# Altium PCB Kasli-DIOT.PCBDOC (part 16 of 21)
Units mm, origin at the board's own origin, x right, y up, seen from the top; angles counter-clockwise.
Board outline 222.34 x 100 mm, 10 copper layers (TopLayer, Layer 2, Layer 3, Layer 4, Layer 5, Layer 6, Layer 7, layer 8, Layer 9, BottomLayer), stack 1.564 mm thick; 974 components, 908 nets, 4662 pads, 2649 vias.
Unrouted connection lines stored in the file: 17.
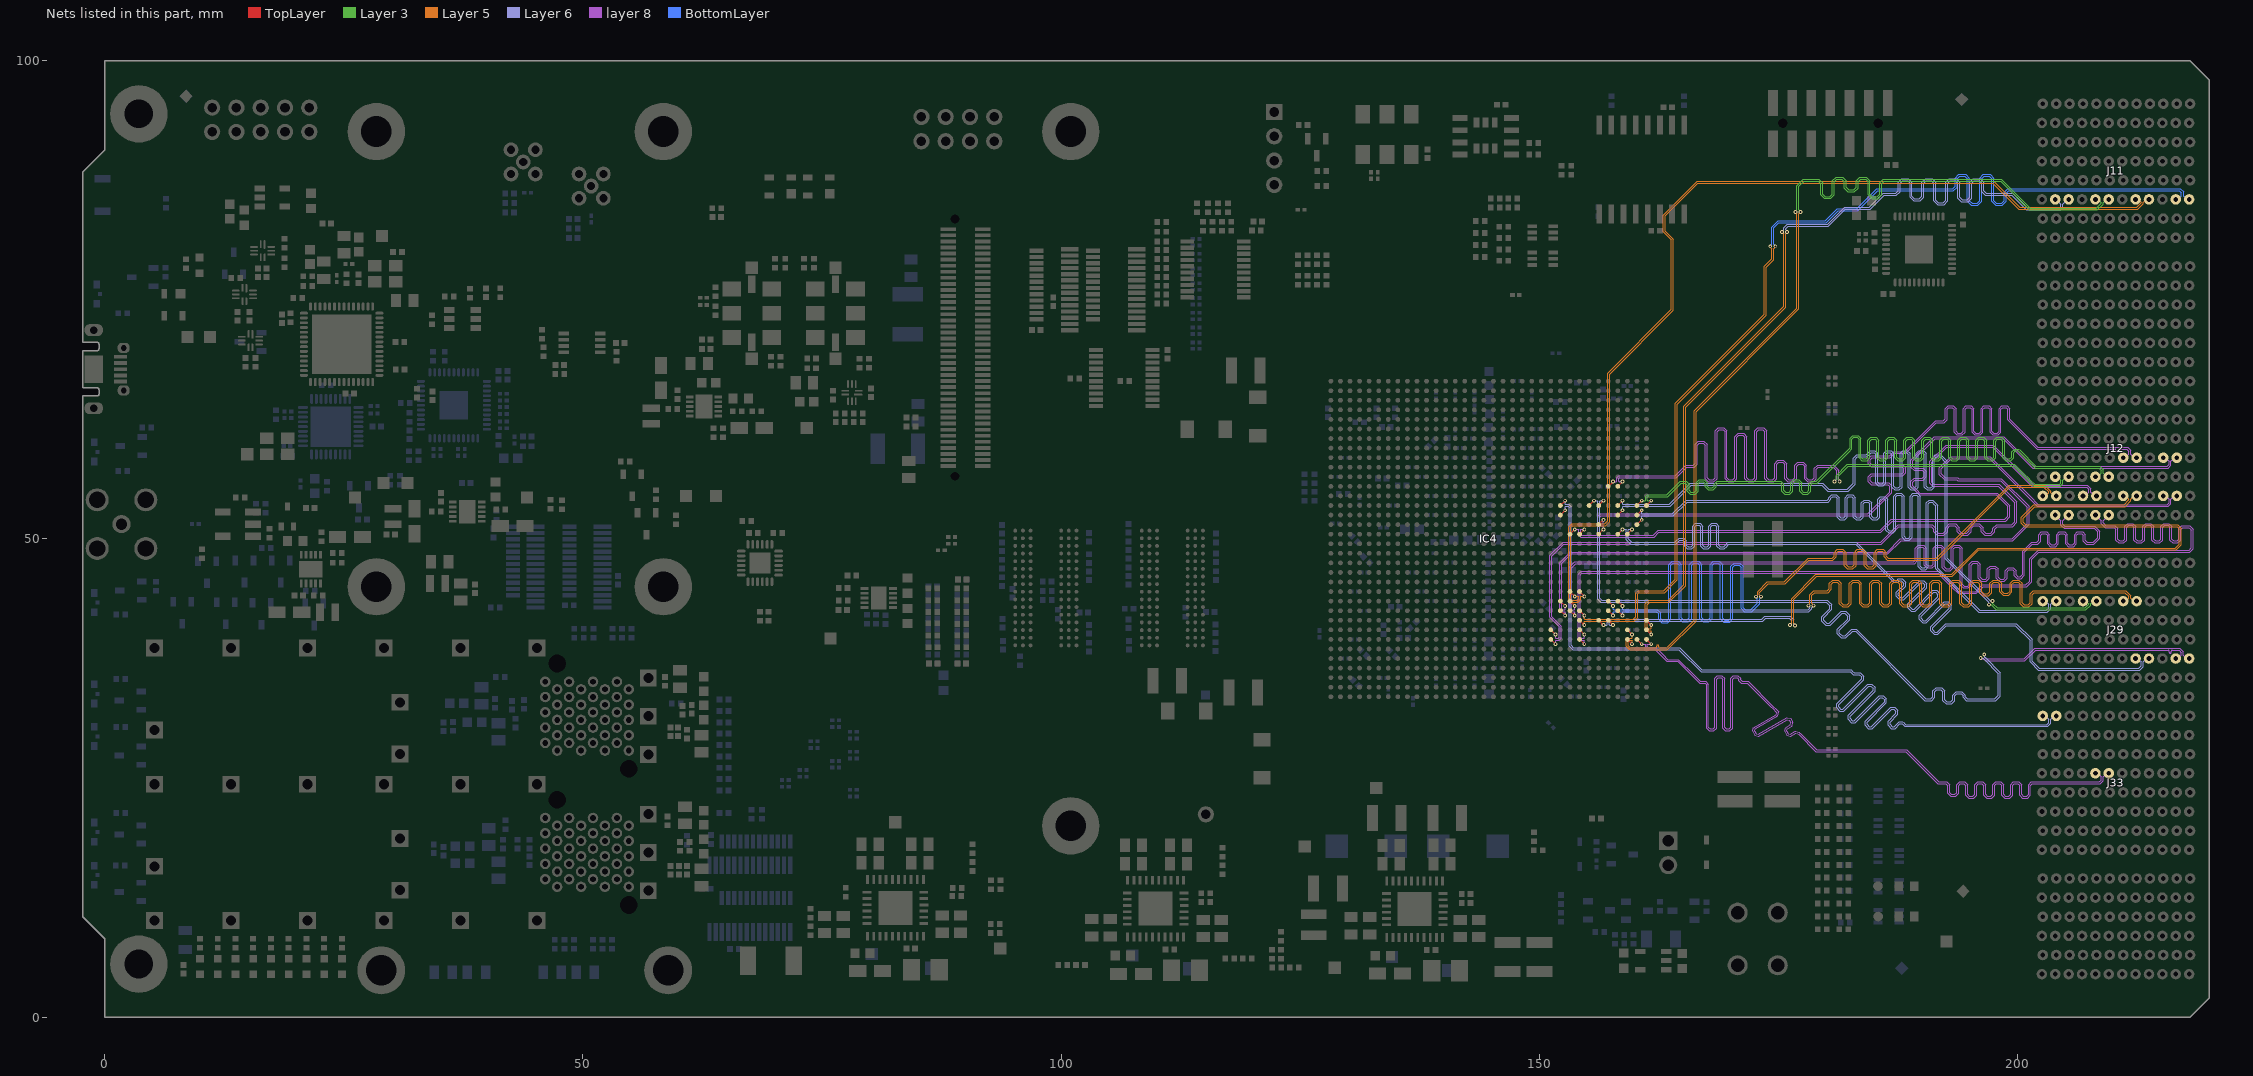
[diagram p24: the nets of this part, all layers, seen from the top]

## Via types
v1: diameter 0.4, hole 0.2, TopLayer to BottomLayer, tented both sides, 1661 vias
v2: diameter 0.5, hole 0.2, TopLayer to BottomLayer, tented both sides, 516 vias
v3: diameter 0.6, hole 0.3, TopLayer to BottomLayer, tented both sides, 175 vias
v4: diameter 0.6, hole 0.3, TopLayer to BottomLayer, 113 vias
v5: diameter 0.5, hole 0.2, TopLayer to BottomLayer, 110 vias
v6: diameter 0.4, hole 0.2, TopLayer to BottomLayer, 67 vias
v7: diameter 0.8, hole 0.5, TopLayer to BottomLayer, tented both sides, 7 vias

## Nets (pads, with @x,y where several pads share a name; then routed paths per layer and width w, separated by ;. In a path a pad name is that pad's centre, name@x,y a point inside that pad or via, vN(x,y) a via of type N, cw(c..) or ccw(c..) an arc to the next point about the centre after c; other vN are vias at no path point) (continued)
SLOT3.LVDS_4_N: IC4.AE31 J29.F6 | length 97
  TopLayer w0.095: IC4.AE31@158.2,42.5 v1(158.7,42)
  Layer 5 w0.08: v1(178.66,43.026) 178.66,43.113 178.5,43.273 178.5,44.1 178.797,44.397 180.014,44.397 180.201,44.397 180.532,44.729 180.532,45.26 180.743,45.471 181.164,45.471 181.374,45.26 181.374,43.221 181.706,42.889 182.299,42.889 182.63,43.221 182.63,45.26 182.841,45.471 183.262,45.471 183.472,45.26 183.472,43.221 183.804,42.889 184.397,42.889 184.728,43.221 184.728,45.26 184.939,45.471 185.36,45.471 185.57,45.26 185.57,43.221 185.902,42.889 186.495,42.889 186.826,43.221 186.826,45.26 187.037,45.471 187.458,45.471 187.668,45.26 187.668,43.221 188,42.889 188.593,42.889 188.924,43.221 188.924,45.26 189.135,45.471 189.556,45.471 189.766,45.26 189.766,43.221 190.098,42.889 190.691,42.889 191.022,43.221 191.022,45.26 191.233,45.471 191.654,45.471 191.864,45.26 191.864,43.221 192.196,42.889 192.789,42.889 193.12,43.221 193.12,45.26 193.331,45.471 193.752,45.471 193.962,45.26 193.962,43.221 194.294,42.889 194.887,42.889 195.218,43.221 195.218,45.26 195.429,45.471 195.85,45.471 196.06,45.26 196.06,44.374 196.392,44.042 196.985,44.042 197.316,44.374 197.316,45.26 197.527,45.471 197.948,45.471 198.158,45.26 198.158,44.471 198.49,44.139 199.083,44.139 199.414,44.471 199.414,45.26 199.625,45.471 200.046,45.471 200.256,45.26 200.256,43.221 200.588,42.889 201.181,42.889 201.512,43.221 201.512,44.187 201.723,44.397 202.539,44.397 211.229,44.397 211.635,43.991 211.635,43.785 211.588,43.738 211.553,43.738 211.315,43.5 J29.F6@211.039,43.5
  Layer 6 w0.08: v1(158.7,42) 158.7,42.35 158.747,42.396 178.182,42.396 178.476,42.691 178.476,42.796 178.66,42.979 v1(178.66,43.026)
SLOT3.LVDS_4_P: IC4.AD31 J29.E6 | length 97.4
  TopLayer w0.095: IC4.AD31@158.2,43.5 v1(158.7,43)
  Layer 5 w0.08: v1(178.133,43.026) 178.133,43.113 178.293,43.273 178.293,44.186 178.712,44.604 180.014,44.604 180.115,44.604 180.325,44.815 180.325,45.346 180.657,45.678 181.25,45.678 181.581,45.346 181.581,43.307 181.792,43.096 182.213,43.096 182.423,43.307 182.423,45.346 182.755,45.678 183.348,45.678 183.679,45.346 183.679,43.307 183.89,43.096 184.311,43.096 184.521,43.307 184.521,45.346 184.853,45.678 185.446,45.678 185.777,45.346 185.777,43.307 185.988,43.096 186.409,43.096 186.619,43.307 186.619,45.346 186.951,45.678 187.544,45.678 187.875,45.346 187.875,43.307 188.086,43.096 188.507,43.096 188.717,43.307 188.717,45.346 189.049,45.678 189.642,45.678 189.973,45.346 189.973,43.307 190.184,43.096 190.605,43.096 190.815,43.307 190.815,45.346 191.147,45.678 191.74,45.678 192.071,45.346 192.071,43.307 192.282,43.096 192.703,43.096 192.913,43.307 192.913,45.346 193.245,45.678 193.838,45.678 194.169,45.346 194.169,43.307 194.38,43.096 194.801,43.096 195.011,43.307 195.011,45.346 195.343,45.678 195.936,45.678 196.267,45.346 196.267,44.46 196.478,44.249 196.899,44.249 197.109,44.46 197.109,45.346 197.441,45.678 198.034,45.678 198.365,45.346 198.365,44.556 198.576,44.346 198.997,44.346 199.207,44.556 199.207,45.346 199.539,45.678 200.132,45.678 200.463,45.346 200.463,43.307 200.674,43.096 201.095,43.096 201.305,43.307 201.305,44.273 201.637,44.604 202.539,44.604 211.314,44.604 211.842,44.077 211.842,43.785 211.889,43.738 211.925,43.738 212.163,43.5 J29.E6@212.439,43.5
  Layer 6 w0.08: v1(158.7,43) 158.7,42.65 158.747,42.603 178.096,42.603 178.269,42.776 178.269,42.843 178.133,42.979 v1(178.133,43.026)
SLOT3.LVDS_5_N: IC4.AH27 J12.H1 | length 101.4
  TopLayer w0.095: IC4.AH27@154.2,39.5 v1(154.7,39)
  layer 8 w0.075: v1(154.7,39) 154.7,39.355 154.656,39.399 154.29,39.399 154.065,39.624 154.065,46.3 154.364,46.6 155.414,46.6 191.767,46.6 192.631,45.735 193.353,45.014 193.862,44.505 195.613,44.505 196.324,45.216 200.877,45.216 201.257,45.595 201.257,47.942 202.148,48.833 217.939,48.833 218.182,49.076 218.182,50.911 218.039,51.054 217.896,51.197 217.34,51.197 217.243,51.197 217.059,51.013 217.059,49.892 216.756,49.589 216.22,49.589 215.918,49.892 215.918,51.226 215.734,51.411 215.365,51.411 215.181,51.226 215.181,49.892 214.878,49.589 214.342,49.589 214.04,49.892 214.04,51.226 213.856,51.411 213.487,51.411 213.303,51.226 213.303,49.892 213,49.589 212.464,49.589 212.162,49.892 212.162,51.226 211.978,51.411 211.609,51.411 211.425,51.226 211.425,49.892 211.122,49.589 210.586,49.589 210.284,49.892 210.284,51.013 210.1,51.197 209.9,51.197 209.157,51.197 208.738,51.616 208.738,51.901 J12.H1@208.139,52.5
SLOT3.LVDS_5_P: IC4.AG27 J12.G1 | length 101.1
  TopLayer w0.095: IC4.AG27@154.2,40.5 v1(154.7,40)
  layer 8 w0.075: v1(154.7,40) 154.7,39.645 154.656,39.601 154.373,39.601 154.267,39.708 154.267,46.217 154.448,46.398 155.498,46.398 191.683,46.398 192.429,45.652 193.139,44.942 193.778,44.303 195.697,44.303 196.408,45.014 200.961,45.014 201.459,45.512 201.459,47.859 202.231,48.631 218.022,48.631 218.384,48.992 218.384,50.995 217.98,51.399 217.34,51.399 217.159,51.399 216.857,51.096 216.857,49.975 216.673,49.791 216.304,49.791 216.12,49.975 216.12,51.31 215.817,51.613 215.281,51.613 214.979,51.31 214.979,49.975 214.795,49.791 214.426,49.791 214.242,49.975 214.242,51.31 213.939,51.613 213.403,51.613 213.101,51.31 213.101,49.975 212.917,49.791 212.548,49.791 212.364,49.975 212.364,51.31 212.061,51.613 211.525,51.613 211.223,51.31 211.223,49.975 211.039,49.791 210.67,49.791 210.486,49.975 210.486,51.096 210.183,51.399 209.9,51.399 209.241,51.399 208.94,51.7 208.94,51.901 J12.G1@209.539,52.5
SLOT3.LVDS_6_N: IC4.AE26 J12.K1 | length 97.7
  TopLayer w0.095: IC4.AE26@153.2,42.5 v1(153.7,42)
  layer 8 w0.075: v1(153.7,42) 153.7,42.355 153.656,42.399 153.296,42.399 153.134,42.561 153.134,47.019 153.714,47.6 189.044,47.6 189.141,47.6 189.325,47.784 189.325,49.045 189.628,49.348 190.163,49.348 190.466,49.045 190.466,47.361 190.65,47.177 191.019,47.177 191.203,47.361 191.203,49.045 191.506,49.348 192.041,49.348 192.344,49.045 192.344,47.082 192.528,46.898 192.897,46.898 193.081,47.082 193.081,49.045 193.384,49.348 193.92,49.348 194.222,49.045 194.222,45.266 194.406,45.082 194.775,45.082 194.959,45.266 194.959,47.346 195.262,47.649 195.798,47.649 196.1,47.346 196.1,45.977 196.284,45.793 196.653,45.793 196.837,45.977 196.837,46.86 197.14,47.162 197.676,47.162 197.978,46.86 197.978,45.977 198.162,45.793 198.531,45.793 198.715,45.977 198.715,46.668 199.018,46.97 199.554,46.97 199.856,46.668 199.856,46.247 200.04,46.063 200.246,46.063 200.282,46.063 200.518,46.298 200.518,48.707 201.47,49.659 201.914,49.659 202.011,49.659 202.195,49.843 202.195,50.45 202.498,50.752 203.034,50.752 203.336,50.45 203.336,49.594 203.52,49.41 203.889,49.41 204.073,49.594 204.073,50.453 204.376,50.755 204.912,50.755 205.214,50.453 205.214,49.594 205.399,49.41 205.767,49.41 205.951,49.594 205.951,50.455 206.254,50.758 206.79,50.758 207.092,50.455 207.092,49.843 207.277,49.659 207.559,49.659 207.898,49.659 208.377,50.138 208.377,50.731 208.001,51.108 204.866,51.108 204.538,51.436 204.538,51.901 J12.K1@203.939,52.5
SLOT3.LVDS_6_P: IC4.AD26 J12.J1 | length 97.4
  TopLayer w0.095: IC4.AD26@153.2,43.5 v1(153.7,43)
  layer 8 w0.075: v1(153.7,43) 153.7,42.645 153.656,42.601 153.379,42.601 153.336,42.645 153.336,46.936 153.798,47.398 189.044,47.398 189.224,47.398 189.527,47.701 189.527,48.961 189.711,49.146 190.08,49.146 190.264,48.961 190.264,47.278 190.567,46.975 191.102,46.975 191.405,47.278 191.405,48.961 191.589,49.146 191.958,49.146 192.142,48.961 192.142,46.998 192.445,46.696 192.98,46.696 193.283,46.998 193.283,48.961 193.467,49.146 193.836,49.146 194.02,48.961 194.02,45.182 194.323,44.88 194.859,44.88 195.161,45.182 195.161,47.262 195.345,47.447 195.714,47.447 195.898,47.262 195.898,45.893 196.201,45.591 196.737,45.591 197.039,45.893 197.039,46.776 197.223,46.96 197.592,46.96 197.776,46.776 197.776,45.893 198.079,45.591 198.615,45.591 198.917,45.893 198.917,46.584 199.101,46.768 199.47,46.768 199.654,46.584 199.654,46.163 199.957,45.861 200.246,45.861 200.366,45.861 200.72,46.215 200.72,48.623 201.554,49.457 201.914,49.457 202.095,49.457 202.397,49.76 202.397,50.366 202.581,50.55 202.95,50.55 203.134,50.366 203.134,49.511 203.437,49.208 203.973,49.208 204.275,49.511 204.275,50.369 204.46,50.553 204.828,50.553 205.012,50.369 205.012,49.511 205.315,49.208 205.851,49.208 206.153,49.511 206.153,50.372 206.338,50.556 206.706,50.556 206.89,50.372 206.89,49.76 207.193,49.457 207.559,49.457 207.982,49.457 208.579,50.055 208.579,50.815 208.084,51.31 204.949,51.31 204.74,51.519 204.74,51.901 J12.J1@205.339,52.5
SLOT3.LVDS_7_N: IC4.AE25 J12.C2 | length 98
  TopLayer w0.095: IC4.AE25@152.2,42.5 v1(152.7,42)
  layer 8 w0.075: v1(152.7,42) 152.7,42.355 152.656,42.399 152.359,42.399 152.134,42.625 152.134,47.534 153.235,48.635 186.35,48.635 187.742,50.028 199.417,50.028 201,51.611 201,53.323 198.217,56.106 193.766,56.106 193.655,56.216 192.33,56.216 192.271,56.275 191.825,56.722 191.825,57.421 193.004,58.6 197.157,58.6 199.278,56.479 201.257,54.5 202.157,53.6 215.661,53.6 215.838,53.776 215.838,54.139 215.477,54.5 J12.C2@215.239,54.5
SLOT3.LVDS_7_P: IC4.AD25 J12.B2 | length 97.6
  TopLayer w0.095: IC4.AD25@152.2,43.5 v1(152.7,43)
  layer 8 w0.075: v1(152.7,43) 152.7,42.645 152.656,42.601 152.443,42.601 152.336,42.708 152.336,47.45 153.319,48.433 186.433,48.433 187.826,49.826 199.501,49.826 201.202,51.527 201.202,53.407 198.301,56.308 193.849,56.308 193.739,56.418 192.414,56.418 192.027,56.805 192.027,57.337 193.087,58.398 197.073,58.398 199.076,56.395 201.043,54.429 202.073,53.398 215.745,53.398 216.04,53.693 216.04,54.139 216.401,54.5 J12.B2@216.639,54.5
SLOT3.LVDS_8_N: IC4.AF30 J12.F2 | length 98.8
  TopLayer w0.095: IC4.AF30@157.2,41.5 v1(157.7,41)
  Layer 5 w0.08: v1(176.2,41) 176.2,41.029 176.378,41.207 176.378,43.771 178.907,46.3 193.107,46.3 195.861,49.054 216.492,49.054 216.9,49.461 216.9,51.024 216.67,51.254 200.768,51.254 200.36,51.661 200.36,52.261 201.699,53.6 211.153,53.6 211.635,54.083 211.635,54.149 211.284,54.5 J12.F2@211.039,54.5
  Layer 6 w0.08: v1(157.7,41) 157.35,41 157.304,41.047 157.304,41.238 157.466,41.4 170.761,41.4 170.763,41.401 173.344,41.401 173.656,41.713 176.144,41.713 176.403,41.455 176.403,41.203 v1(176.2,41)
SLOT3.LVDS_8_P: IC4.AF29 J12.E2 | length 99.3
  TopLayer w0.095: IC4.AF29@156.2,41.5 v1(156.7,41)
  Layer 5 w0.08: 176.61,41.146 176.585,41.171 176.585,43.685 178.993,46.093 193.193,46.093 195.947,48.847 216.578,48.847 217.107,49.376 217.107,51.11 216.756,51.461 200.853,51.461 200.567,51.747 200.567,52.175 201.785,53.393 211.238,53.393 211.842,53.997 211.842,54.149 212.193,54.5 J12.E2@212.439,54.5
  Layer 6 w0.08: v1(156.7,41) 157.05,41 157.097,41.047 157.097,41.324 157.38,41.607 170.675,41.607 170.677,41.608 173.258,41.608 173.57,41.92 176.23,41.92 176.61,41.54 176.61,41.146 176.724,41.032 v1(176.724,40.945)
SLOT3.LVDS_9_N: IC4.AH24 J12.I2 | length 98.2
  TopLayer w0.095: IC4.AH24@151.2,39.5 v1(151.7,39)
  layer 8 w0.075: v1(151.7,39) 151.7,39.355 151.744,39.399 152.053,39.399 152.286,39.632 152.286,40.898 151.3,41.885 151.3,48.2 152.557,49.457 185.757,49.457 187.59,51.29 189.637,51.29 190.973,51.29 191.232,51.031 191.232,50.78 191.61,50.403 192.296,50.403 192.673,50.78 192.673,51.114 192.932,51.373 193.451,51.373 193.71,51.114 193.71,50.78 194.088,50.403 194.774,50.403 195.151,50.78 195.151,51.114 195.41,51.373 195.929,51.373 196.188,51.114 196.188,50.78 196.566,50.403 197.252,50.403 197.629,50.78 197.629,51.031 197.888,51.29 198.101,51.29 199.476,51.29 199.913,51.727 199.913,53.88 198.062,55.731 191.237,55.731 191.033,55.935 191.033,58.023 192.618,59.607 197.393,59.607 200.643,56.357 201.6,55.4 207.22,55.4 207.438,55.182 207.438,54.861 207.077,54.5 J12.I2@206.839,54.5
SLOT3.LVDS_9_P: IC4.AG24 J12.H2 | length 98.5
  TopLayer w0.095: IC4.AG24@151.2,40.5 v1(151.7,40)
  layer 8 w0.075: v1(151.7,40) 151.7,39.645 151.744,39.601 151.969,39.601 152.084,39.716 152.084,40.815 151.098,41.801 151.098,48.284 152.473,49.659 185.673,49.659 187.506,51.492 189.637,51.492 191.057,51.492 191.434,51.115 191.434,50.864 191.693,50.605 192.212,50.605 192.471,50.864 192.471,51.198 192.849,51.575 193.535,51.575 193.912,51.198 193.912,50.864 194.171,50.605 194.69,50.605 194.949,50.864 194.949,51.198 195.327,51.575 196.013,51.575 196.39,51.198 196.39,50.864 196.649,50.605 197.168,50.605 197.427,50.864 197.427,51.115 197.805,51.492 198.101,51.492 199.392,51.492 199.711,51.811 199.711,53.796 197.978,55.529 191.153,55.529 190.831,55.851 190.831,58.107 192.534,59.809 197.476,59.809 200.643,56.643 201.684,55.602 207.303,55.602 207.64,55.266 207.64,54.861 208.001,54.5 J12.H2@208.239,54.5
SLOT3.LVDS_10_N: IC4.AE30 J12.L2 | length 106.8
  TopLayer w0.095: IC4.AE30@157.2,42.5 v1(157.7,42)
  Layer 5 w0.08: v1(173.174,43.967) 173.174,44.014 173.015,44.174 173.015,44.384 173.931,45.3 175.693,45.3 178.186,47.793 180.5,47.793 180.686,47.793 181.018,48.125 181.018,48.491 181.229,48.701 181.65,48.701 181.86,48.491 181.86,47.217 182.192,46.885 182.784,46.885 183.116,47.217 183.116,48.491 183.327,48.701 183.748,48.701 183.958,48.491 183.958,47.217 184.29,46.885 184.882,46.885 185.214,47.217 185.214,48.491 185.425,48.701 185.846,48.701 186.056,48.491 186.056,48.125 186.388,47.793 186.801,47.793 191.593,47.793 199.2,55.4 202.753,55.4 203.235,54.918 203.235,54.851 202.884,54.5 J12.L2@202.639,54.5
  BottomLayer w0.095: v1(157.7,42) 157.7,42.333 157.756,42.389 161.053,42.389 162.244,42.389 162.459,42.175 162.459,41.59 162.803,41.246 163.415,41.246 163.76,41.59 163.76,47.237 163.974,47.451 164.402,47.451 164.617,47.237 164.617,41.68 164.961,41.336 165.573,41.336 165.918,41.68 165.918,47.237 166.132,47.451 166.56,47.451 166.775,47.237 166.775,41.68 167.119,41.336 167.731,41.336 168.076,41.68 168.076,47.237 168.29,47.451 168.718,47.451 168.933,47.237 168.933,41.639 169.277,41.295 169.889,41.295 170.234,41.639 170.234,47.041 170.448,47.256 170.876,47.256 171.091,47.041 171.091,42.733 171.435,42.389 172.203,42.389 172.425,42.611 173.022,43.208 173.022,43.759 173.174,43.911 v1(173.174,43.967)
SLOT3.LVDS_10_P: IC4.AD30 J12.K2 | length 107.2
  TopLayer w0.095: IC4.AD30@157.2,43.5 v1(157.7,43)
  Layer 5 w0.08: v1(172.648,43.967) 172.648,44.014 172.808,44.174 172.808,44.47 173.845,45.507 175.607,45.507 178.1,48 180.5,48 180.601,48 180.811,48.21 180.811,48.576 181.143,48.908 181.735,48.908 182.067,48.576 182.067,47.302 182.278,47.092 182.699,47.092 182.909,47.302 182.909,48.576 183.241,48.908 183.833,48.908 184.165,48.576 184.165,47.302 184.376,47.092 184.797,47.092 185.007,47.302 185.007,48.576 185.339,48.908 185.931,48.908 186.263,48.576 186.263,48.21 186.474,48 186.801,48 191.507,48 199.114,55.607 202.839,55.607 203.442,55.003 203.442,54.851 203.793,54.5 J12.K2@204.039,54.5
  BottomLayer w0.095: v1(157.7,43) 157.7,42.667 157.756,42.611 161.053,42.611 162.336,42.611 162.681,42.267 162.681,41.682 162.895,41.468 163.323,41.468 163.538,41.682 163.538,47.329 163.882,47.673 164.494,47.673 164.839,47.329 164.839,41.772 165.053,41.558 165.481,41.558 165.696,41.772 165.696,47.329 166.04,47.673 166.652,47.673 166.997,47.329 166.997,41.772 167.211,41.558 167.639,41.558 167.854,41.772 167.854,47.329 168.198,47.673 168.81,47.673 169.155,47.329 169.155,41.731 169.369,41.517 169.797,41.517 170.012,41.731 170.012,47.133 170.356,47.478 170.968,47.478 171.313,47.133 171.313,42.825 171.527,42.611 172.111,42.611 172.425,42.925 172.8,43.3 172.8,43.759 172.648,43.911 v1(172.648,43.967)
SLOT3.LVDS_11_N: IC4.AF27 J11.B3 | length 110.7
  TopLayer w0.095: IC4.AF27@154.2,41.5 v1(154.7,41)
  Layer 5 w0.08: v1(154.7,41) 154.7,41.35 154.747,41.396 159.908,41.396 160.274,41.762 160.274,44.274 160.4,44.4 163.093,44.4 164.407,45.714 164.407,64.107 173.707,73.407 173.707,78.407 174.507,79.207 174.507,80.353 174.667,80.513 v1(174.667,80.6)
  BottomLayer w0.095: v1(174.667,80.6) 174.667,80.656 174.515,80.808 174.515,82.515 175.05,83.05 179.989,83.05 181.233,84.295 183.283,84.295 185.389,86.4 193.093,86.4 193.298,86.4 193.692,86.794 193.692,87.644 193.956,87.908 194.485,87.908 194.749,87.644 194.749,85.286 195.143,84.892 195.856,84.892 196.25,85.286 196.25,87.644 196.514,87.908 197.043,87.908 197.307,87.644 197.307,85.286 197.701,84.892 198.414,84.892 198.808,85.286 198.808,86.136 199.072,86.4 199.687,86.4 216.928,86.4 217.128,86.2 217.128,86.028 217.128,85.857 216.771,85.5 J11.B3@216.539,85.5
SLOT3.LVDS_11_P: IC4.AE27 J11.A3 | length 111.1
  TopLayer w0.095: IC4.AE27@154.2,42.5 v1(154.7,42)
  Layer 5 w0.08: v1(154.7,42) 154.7,41.65 154.747,41.603 159.823,41.603 160.067,41.848 160.067,44.36 160.314,44.607 163.007,44.607 164.2,45.8 164.2,64.193 173.5,73.493 173.5,78.493 174.3,79.293 174.3,80.353 174.14,80.513 v1(174.14,80.6)
  BottomLayer w0.095: v1(174.14,80.6) 174.14,80.656 174.293,80.808 174.293,82.606 174.958,83.272 179.897,83.272 181.142,84.517 183.192,84.517 185.297,86.622 193.093,86.622 193.206,86.622 193.47,86.886 193.47,87.736 193.864,88.13 194.577,88.13 194.971,87.736 194.971,85.378 195.235,85.114 195.764,85.114 196.028,85.378 196.028,87.736 196.422,88.13 197.135,88.13 197.529,87.736 197.529,85.378 197.793,85.114 198.322,85.114 198.586,85.378 198.586,86.228 198.98,86.622 199.687,86.622 217.02,86.622 217.35,86.292 217.35,85.936 217.35,85.857 217.707,85.5 J11.A3@217.939,85.5
SLOT3.LVDS_12_N: IC4.AC27 J11.E3 | length 103.4
  TopLayer w0.095: IC4.AC27@154.2,44.5 v1(154.7,44)
  Layer 5 w0.08: v1(154.7,44) 154.35,44 154.304,43.953 154.304,43.674 154.022,43.393 153.313,43.393 153.093,43.613 153.093,51.286 153.414,51.607 156.833,51.607 157.126,51.9 157.126,67.319 163.8,73.993 163.8,81.259 162.953,82.106 162.953,83.872 166.488,87.407 197.493,87.407 200.202,84.698 212.484,84.698 212.935,85.149 212.935,85.215 212.888,85.262 212.853,85.262 212.615,85.5 J11.E3@212.339,85.5
SLOT3.LVDS_12_P: IC4.AC26 J11.D3 | length 102.7
  TopLayer w0.095: IC4.AC26@153.2,44.5 v1(153.7,44)
  Layer 5 w0.08: v1(153.7,44) 154.05,44 154.097,43.953 154.097,43.76 153.937,43.6 153.399,43.6 153.3,43.699 153.3,51.2 153.5,51.4 156.919,51.4 157.333,51.814 157.333,67.233 164.007,73.907 164.007,81.345 163.16,82.192 163.16,83.786 166.574,87.2 197.407,87.2 200.117,84.491 212.57,84.491 213.142,85.063 213.142,85.215 213.189,85.262 213.225,85.262 213.463,85.5 J11.D3@213.739,85.5
SLOT3.LVDS_13_N: IC4.AH32 J11.H3 | length 103
  TopLayer w0.095: IC4.AH32@159.2,39.5 v1(159.7,39)
  Layer 3 w0.075: v1(176.773,84.2) 176.773,84.244 176.936,84.406 176.936,86.948 177.589,87.602 177.914,87.602 179.231,87.602 179.608,87.224 179.608,86.061 179.867,85.802 180.386,85.802 180.645,86.061 180.645,87.431 181.023,87.809 181.709,87.809 182.086,87.431 182.086,86.761 182.345,86.501 182.864,86.501 183.123,86.761 183.123,87.431 183.501,87.809 184.187,87.809 184.564,87.431 184.564,86.057 184.823,85.798 185.342,85.798 185.601,86.057 185.601,87.224 185.979,87.602 186.159,87.602 198.298,87.602 199.62,86.28 200.5,85.4 201.3,84.6 208.249,84.6 208.738,85.089 208.738,85.151 208.388,85.5 J11.H3@208.139,85.5
  Layer 5 w0.08: v1(159.7,39) 159.7,39.35 159.653,39.396 159.395,39.396 159.274,39.275 159.274,38.848 159.522,38.6 161.974,38.6 162.146,38.6 ccw(c162.146,38.715) 162.261,38.715 162.261,38.793 cw(c162.376,38.793) 162.376,38.908 cw(c162.376,38.793) 162.491,38.793 162.491,38.715 ccw(c162.606,38.715) 162.606,38.6 162.876,38.6 163.3,38.6 166.193,41.493 166.193,63.393 176.933,74.133 176.933,83.993 176.773,84.153 v1(176.773,84.2)
SLOT3.LVDS_13_P: IC4.AG32 J11.G3 | length 103.6
  TopLayer w0.095: IC4.AG32@159.2,40.5 v1(159.7,40)
  Layer 3 w0.075: v1(177.3,84.2) 177.3,84.244 177.138,84.406 177.138,86.865 177.673,87.4 177.914,87.4 179.147,87.4 179.406,87.141 179.406,85.978 179.784,85.6 180.47,85.6 180.847,85.978 180.847,87.347 181.106,87.607 181.625,87.607 181.884,87.347 181.884,86.677 182.262,86.299 182.948,86.299 183.325,86.677 183.325,87.347 183.584,87.607 184.103,87.607 184.362,87.347 184.362,85.973 184.74,85.596 185.426,85.596 185.803,85.973 185.803,87.141 186.062,87.4 186.159,87.4 198.214,87.4 199.418,86.196 200.286,85.329 201.216,84.398 208.333,84.398 208.94,85.005 208.94,85.151 209.289,85.5 J11.G3@209.539,85.5
  Layer 5 w0.08: v1(159.7,40) 159.7,39.65 159.653,39.603 159.31,39.603 159.067,39.361 159.067,38.762 159.436,38.393 163.386,38.393 166.4,41.407 166.4,63.307 177.14,74.047 177.14,83.993 177.3,84.153 v1(177.3,84.2)
SLOT3.LVDS_14_N: IC4.AG34 J11.K3 | length 96.8
  TopLayer w0.095: IC4.AG34@161.2,40.5 v1(161.7,40)
  Layer 5 w0.08: v1(161.7,40) 161.7,40.35 161.653,40.396 161.314,40.396 161.093,40.618 161.093,42.047 161.093,43.205 161.462,43.574 161.905,43.574 ; v1(175.373,82.1) 175.373,82.053 175.533,81.893 175.533,81.259 175.533,74.318 165.093,63.878 165.093,45.2 163.466,43.573 161.906,43.573 ; 161.905,43.574 161.906,43.573
  Layer 6 w0.08: v1(175.373,82.1) 175.373,82.147 175.533,82.307 175.533,82.536 175.922,82.925 180.132,82.925 181.907,84.7 184.507,84.7 185.96,86.153 187.141,86.153 187.241,86.153 187.502,86.413 187.502,87.279 187.884,87.661 188.576,87.661 188.958,87.279 188.958,85.807 189.218,85.547 189.739,85.547 190,85.807 190,87.279 190.382,87.661 191.074,87.661 191.456,87.279 191.456,85.435 191.716,85.175 192.237,85.175 192.498,85.435 192.498,87.279 192.88,87.661 193.572,87.661 193.954,87.279 193.954,85.704 194.214,85.444 194.735,85.444 194.996,85.704 194.996,87.279 195.378,87.661 196.07,87.661 196.452,87.279 196.452,86.413 196.712,86.153 197.548,86.153 199.477,86.153 201.001,84.629 204.419,84.629 204.535,84.745 204.535,84.977 204.012,85.5 J11.K3@203.939,85.5
SLOT3.LVDS_14_P: IC4.AF34 J11.J3 | length 96.5
  TopLayer w0.095: IC4.AF34@161.2,41.5 v1(161.7,41)
  Layer 5 w0.08: v1(161.7,41) 161.7,40.65 161.653,40.603 161.4,40.603 161.3,40.703 161.3,43.119 161.548,43.367 161.802,43.367 161.803,43.366 163.552,43.366 165.3,45.114 165.3,63.793 175.74,74.233 175.74,81.259 175.74,81.893 175.9,82.053 v1(175.9,82.1)
  Layer 6 w0.08: v1(175.9,82.1) 175.9,82.147 175.74,82.307 175.74,82.45 176.008,82.718 180.218,82.718 181.993,84.493 184.593,84.493 186.046,85.946 187.141,85.946 187.327,85.946 187.709,86.327 187.709,87.193 187.969,87.454 188.49,87.454 188.751,87.193 188.751,85.722 189.133,85.34 189.825,85.34 190.207,85.722 190.207,87.193 190.467,87.454 190.988,87.454 191.249,87.193 191.249,85.35 191.631,84.968 192.323,84.968 192.705,85.35 192.705,87.193 192.965,87.454 193.486,87.454 193.747,87.193 193.747,85.619 194.129,85.237 194.821,85.237 195.203,85.619 195.203,87.193 195.463,87.454 195.984,87.454 196.245,87.193 196.245,86.327 196.627,85.946 197.548,85.946 199.391,85.946 200.915,84.422 204.505,84.422 204.742,84.659 204.742,84.977 205.265,85.5 J11.J3@205.339,85.5
SLOT3.LVDS_15_N: IC4.AH34 J33.H5 | length 96.6
  TopLayer w0.095: IC4.AH34@161.2,39.5 v1(161.7,39)
  layer 8 w0.075: v1(161.7,39) 161.345,39 161.301,38.956 161.301,38.746 161.345,38.702 162.119,38.702 162.878,37.943 163.424,37.397 164.535,37.397 166.202,35.73 166.83,35.101 167.403,35.101 167.681,34.824 167.681,30.301 167.84,30.141 168.159,30.141 168.318,30.301 168.318,35.415 168.596,35.692 169.081,35.692 169.359,35.415 169.359,30.301 169.518,30.141 169.837,30.141 169.996,30.301 169.996,35.415 170.274,35.692 170.759,35.692 171.037,35.415 171.037,35.261 171.196,35.101 171.839,35.101 171.841,35.101 174.42,32.522 174.473,32.47 174.697,32.245 175.027,31.916 175.027,31.861 174.936,31.523 174.908,31.495 172.56,30.137 172.502,29.92 172.661,29.644 172.879,29.586 175.886,31.324 175.926,31.324 176.264,31.234 176.292,31.206 176.514,30.822 176.514,30.782 176.423,30.445 176.395,30.416 175.913,30.137 175.854,29.92 176.014,29.644 176.231,29.586 176.762,29.893 176.803,29.893 177.134,29.804 177.155,29.787 177.189,29.754 177.28,29.663 178.979,27.963 188.398,27.963 188.821,27.54 191.761,24.6 192.385,24.6 192.594,24.6 192.897,24.297 192.897,23.482 193.081,23.298 193.45,23.298 193.634,23.482 193.634,24.297 193.936,24.6 194.472,24.6 194.775,24.297 194.775,23.286 194.959,23.102 195.328,23.102 195.512,23.286 195.512,24.297 195.814,24.6 196.35,24.6 196.653,24.297 196.653,23.286 196.837,23.102 197.206,23.102 197.39,23.286 197.39,24.311 197.692,24.614 198.228,24.614 198.531,24.311 198.531,23.286 198.715,23.102 199.084,23.102 199.268,23.286 199.268,24.311 199.57,24.614 200.106,24.614 200.409,24.311 200.409,23.286 200.593,23.102 200.962,23.102 201.146,23.286 201.146,24.297 201.448,24.6 201.629,24.6 208.55,24.6 208.738,24.788 208.738,25.151 208.388,25.5 J33.H5@208.139,25.5
SLOT3.LVDS_15_P: IC4.AH33 J33.G5 | length 97.2
  TopLayer w0.095: IC4.AH33@160.2,39.5 v1(160.7,39)
  layer 8 w0.075: v1(160.7,39) 161.055,39 161.099,38.956 161.099,38.662 161.261,38.5 162.035,38.5 162.807,37.729 163.341,37.195 164.451,37.195 166.075,35.571 166.746,34.899 167.32,34.899 167.479,34.74 167.479,30.217 167.757,29.939 168.242,29.939 168.52,30.217 168.52,35.331 168.679,35.49 168.998,35.49 169.157,35.331 169.157,30.217 169.435,29.939 169.92,29.939 170.198,30.217 170.198,35.331 170.357,35.49 170.676,35.49 170.835,35.331 170.835,35.177 171.113,34.899 171.757,34.899 171.839,34.818 174.239,32.418 174.33,32.327 174.813,31.844 174.759,31.642 172.411,30.285 172.382,30.256 172.292,29.919 172.292,29.878 172.514,29.495 172.542,29.467 172.88,29.376 172.92,29.376 175.927,31.115 176.145,31.057 176.304,30.781 176.246,30.563 175.764,30.285 175.735,30.256 175.645,29.919 175.645,29.878 175.866,29.495 175.895,29.467 176.232,29.376 176.273,29.376 176.804,29.683 177.035,29.621 177.099,29.558 178.896,27.761 188.314,27.761 188.75,27.326 191.677,24.398 192.385,24.398 192.511,24.398 192.695,24.214 192.695,23.399 192.997,23.096 193.533,23.096 193.836,23.399 193.836,24.214 194.02,24.398 194.389,24.398 194.573,24.214 194.573,23.203 194.875,22.9 195.411,22.9 195.714,23.203 195.714,24.214 195.898,24.398 196.267,24.398 196.451,24.214 196.451,23.203 196.753,22.9 197.289,22.9 197.592,23.203 197.592,24.228 197.776,24.412 198.145,24.412 198.329,24.228 198.329,23.203 198.631,22.9 199.167,22.9 199.47,23.203 199.47,24.228 199.654,24.412 200.023,24.412 200.207,24.228 200.207,23.203 200.509,22.9 201.045,22.9 201.348,23.203 201.348,24.214 201.532,24.398 201.629,24.398 208.634,24.398 208.94,24.704 208.94,25.151 209.289,25.5 J33.G5@209.539,25.5
SLOT4.LVDS_0_N: IC4.P29 J29.B3 | length 94.9
  TopLayer w0.095: IC4.P29@156.2,53.5 v1(156.7,54)
  Layer 6 w0.08: v1(156.7,54) 156.35,54 156.304,53.953 156.304,43.796 156.5,43.6 180.1,43.6 180.428,43.272 180.499,43.201 180.593,43.107 180.593,42.638 179.729,41.775 179.729,41.477 180.027,41.179 180.325,41.179 181.568,42.423 182.038,42.423 182.457,42.004 182.457,41.535 181.375,40.453 181.375,40.155 181.672,39.858 181.97,39.858 182.672,40.559 183.141,40.559 183.201,40.499 183.273,40.427 190.4,33.3 190.837,33.3 190.938,33.3 191.148,33.51 191.148,34.107 191.48,34.439 192.072,34.439 192.404,34.107 192.404,33.179 192.615,32.969 193.036,32.969 193.246,33.179 193.246,33.681 193.578,34.013 194.17,34.013 194.502,33.681 194.502,33.51 194.713,33.3 195.446,33.3 197.635,33.3 198,33.665 198,35.911 196.509,37.402 196.402,37.509 196.175,37.509 v1(196.142,37.542)
  layer 8 w0.075: v1(196.142,37.542) 196.204,37.48 196.434,37.48 196.655,37.26 200.76,37.26 201.874,38.374 215.477,38.374 215.74,38.374 cw(c215.74,38.262) 215.852,38.262 215.852,38.179 ccw(c215.965,38.179) 215.965,38.066 ccw(c215.965,38.179) 216.077,38.179 216.077,38.262 cw(c216.19,38.262) 216.19,38.374 216.348,38.374 216.892,38.374 217.138,38.128 217.138,37.849 216.788,37.5 J29.B3@216.539,37.5
SLOT4.LVDS_0_P: IC4.P28 J29.A3 | length 95.5
  TopLayer w0.095: IC4.P28@155.2,53.5 v1(155.7,54)
  Layer 6 w0.08: v1(155.7,54) 156.05,54 156.097,53.953 156.097,43.711 156.414,43.393 180.014,43.393 180.282,43.126 180.353,43.054 180.386,43.022 180.386,42.724 179.522,41.861 179.522,41.391 179.941,40.972 180.41,40.972 181.654,42.216 181.952,42.216 182.25,41.918 182.25,41.621 181.168,40.539 181.168,40.07 181.587,39.651 182.056,39.651 182.757,40.352 183.055,40.352 183.126,40.281 190.314,33.093 190.837,33.093 191.023,33.093 191.355,33.425 191.355,34.021 191.566,34.232 191.987,34.232 192.197,34.021 192.197,33.093 192.529,32.762 193.121,32.762 193.453,33.093 193.453,33.596 193.664,33.806 194.085,33.806 194.295,33.596 194.295,33.425 194.627,33.093 195.446,33.093 197.72,33.093 198.207,33.58 198.207,35.997 196.595,37.609 196.548,37.655 196.548,37.882 v1(196.515,37.915)
  layer 8 w0.075: v1(196.515,37.915) 196.577,37.853 196.577,37.623 196.738,37.462 200.676,37.462 201.791,38.576 216.975,38.576 217.34,38.212 217.34,37.849 217.689,37.5 J29.A3@217.939,37.5
SLOT4.LVDS_1_N: IC4.U32 J29.E3 | length 93.5
  TopLayer w0.095: IC4.U32@159.2,50.5 v1(159.7,51)
  Layer 6 w0.08: v1(159.7,51) 159.35,51 159.304,50.953 159.304,49.997 159.65,49.65 164.064,49.65 164.164,49.65 164.325,49.81 164.325,49.815 164.606,50.097 165.099,50.097 165.381,49.815 165.381,49.347 165.541,49.187 165.862,49.187 166.023,49.347 166.023,51.338 166.304,51.62 166.797,51.62 167.079,51.338 167.079,49.347 167.239,49.187 167.56,49.187 167.721,49.347 167.721,51.338 168.002,51.62 168.495,51.62 168.777,51.338 168.777,49.347 168.937,49.187 169.258,49.187 169.419,49.347 169.419,49.368 169.7,49.65 171.449,49.65 183.15,49.65 187.074,45.726 187.145,45.655 187.372,45.655 187.544,45.827 187.942,45.827 188.291,45.479 188.291,45.081 187.534,44.324 187.534,44.097 187.76,43.87 187.987,43.87 189.77,45.652 190.169,45.652 190.517,45.304 190.517,44.906 188.734,43.123 188.734,42.896 188.961,42.669 189.188,42.669 191.131,44.612 191.53,44.612 191.878,44.264 191.878,43.866 189.935,41.922 189.935,41.695 190.162,41.468 190.389,41.468 192.332,43.412 192.731,43.412 193.079,43.063 193.079,42.665 191.136,40.722 191.136,40.495 191.362,40.268 191.589,40.268 192.474,41.152 193.592,41.152 199.856,41.152 201.507,39.501 201.507,37.237 202.244,36.5 212.692,36.5 212.935,36.743 212.935,37.149 212.584,37.5 J29.E3@212.339,37.5
SLOT4.LVDS_1_P: IC4.U31 J29.D3 | length 94.2
  TopLayer w0.095: IC4.U31@158.2,50.5 v1(158.7,51)
  Layer 6 w0.08: v1(158.7,51) 159.05,51 159.097,50.953 159.097,49.911 159.564,49.443 164.064,49.443 164.25,49.443 164.532,49.725 164.532,49.729 164.692,49.89 165.013,49.89 165.174,49.729 165.174,49.262 165.455,48.98 165.948,48.98 166.23,49.262 166.23,51.253 166.39,51.413 166.711,51.413 166.872,51.253 166.872,49.262 167.153,48.98 167.646,48.98 167.928,49.262 167.928,51.253 168.088,51.413 168.409,51.413 168.57,51.253 168.57,49.262 168.851,48.98 169.344,48.98 169.626,49.262 169.626,49.283 169.786,49.443 171.449,49.443 183.064,49.443 186.927,45.58 186.998,45.509 187.059,45.448 187.457,45.448 187.63,45.62 187.857,45.62 188.084,45.393 188.084,45.166 187.327,44.409 187.327,44.011 187.675,43.663 188.073,43.663 189.856,45.445 190.083,45.445 190.31,45.218 190.31,44.991 188.527,43.209 188.527,42.81 188.875,42.462 189.274,42.462 191.217,44.405 191.444,44.405 191.671,44.178 191.671,43.951 189.728,42.008 189.728,41.61 190.076,41.261 190.475,41.261 192.418,43.205 192.645,43.205 192.872,42.978 192.872,42.751 190.929,40.807 190.929,40.409 191.277,40.061 191.675,40.061 192.56,40.945 193.385,40.945 199.771,40.945 201.3,39.416 201.3,37.152 202.159,36.293 212.778,36.293 213.142,36.657 213.142,37.149 213.493,37.5 J29.D3@213.739,37.5
SLOT4.LVDS_2_N: IC4.P25 J33.L8 | length 94.9
  TopLayer w0.095: IC4.P25@152.2,53.5 v1(152.7,54)
  Layer 6 w0.08: v1(152.7,54) 152.7,53.65 152.747,53.604 153.089,53.604 153.307,53.386 153.307,38.874 153.557,38.624 164.676,38.624 166.993,36.307 181.742,36.307 182.593,36.307 182.738,36.162 182.899,36.001 183.126,36.001 183.145,36.019 183.543,36.019 183.891,35.671 183.891,35.273 181.283,32.664 181.283,32.437 181.51,32.21 181.737,32.21 184.345,34.819 184.744,34.819 185.092,34.47 185.092,34.072 182.484,31.464 182.484,31.237 182.711,31.01 182.938,31.01 185.546,33.618 185.945,33.618 186.293,33.27 186.293,32.871 184.259,30.837 184.259,30.61 184.486,30.383 184.713,30.383 186.747,32.417 187.145,32.417 187.493,32.069 187.493,31.671 186.66,30.837 186.66,30.61 186.887,30.383 187.114,30.383 187.616,30.885 188.015,30.885 188.075,30.825 188.146,30.754 188.3,30.6 203.042,30.6 203.235,30.793 203.235,31.149 202.884,31.5 J33.L8@202.639,31.5
SLOT4.LVDS_2_P: IC4.R25 J33.K8 | length 95.2
  TopLayer w0.095: IC4.R25@152.2,52.5 v1(152.7,53)
  Layer 6 w0.08: v1(152.7,53) 152.7,53.35 152.747,53.397 153.004,53.397 153.1,53.3 153.1,38.788 153.471,38.417 164.59,38.417 166.907,36.1 181.535,36.1 182.507,36.1 182.669,35.939 182.813,35.794 183.212,35.794 183.23,35.812 183.457,35.812 183.684,35.585 183.684,35.358 181.076,32.75 181.076,32.352 181.424,32.003 181.823,32.003 184.431,34.612 184.658,34.612 184.885,34.385 184.885,34.158 182.277,31.549 182.277,31.151 182.625,30.803 183.023,30.803 185.632,33.411 185.859,33.411 186.086,33.184 186.086,32.957 184.052,30.923 184.052,30.525 184.4,30.176 184.798,30.176 186.832,32.21 187.059,32.21 187.286,31.983 187.286,31.756 186.453,30.923 186.453,30.525 186.801,30.176 187.2,30.176 187.702,30.678 187.929,30.678 188,30.607 188.214,30.393 203.128,30.393 203.442,30.707 203.442,31.149 203.794,31.5 J33.K8@204.039,31.5
SLOT4.LVDS_3_N: IC4.P31 J29.I6 | length 95.5
  TopLayer w0.095: IC4.P31@158.2,53.5 v1(158.7,54)
  Layer 3 w0.075: v1(197.384,43.502) 197.415,43.471 197.415,43.241 197.87,42.786 207.061,42.786 207.438,43.162 207.438,43.224 207.394,43.268 207.348,43.268 207.116,43.5 J29.I6@206.839,43.5
  Layer 6 w0.08: v1(158.7,54) 158.7,53.65 158.747,53.604 163.585,53.604 165.792,55.811 179.625,55.811 180.242,55.193 182.2,55.193 182.825,55.818 182.825,58.441 183.163,58.779 183.807,58.779 184.152,58.779 184.313,58.94 184.313,58.945 184.594,59.227 185.087,59.227 185.369,58.945 185.369,55.907 185.529,55.747 185.85,55.747 186.011,55.907 186.011,58.945 186.292,59.227 186.785,59.227 187.067,58.945 187.067,55.514 187.227,55.354 187.548,55.354 187.709,55.514 187.709,58.945 187.99,59.227 188.483,59.227 188.765,58.945 188.765,55.514 188.925,55.354 189.246,55.354 189.407,55.514 189.407,58.945 189.688,59.227 190.181,59.227 190.463,58.945 190.463,55.514 190.623,55.354 190.944,55.354 191.105,55.514 191.105,58.497 191.386,58.779 191.573,58.779 191.988,58.779 192.658,58.109 192.658,48.001 197.124,43.535 197.35,43.535 v1(197.384,43.502)
SLOT4.LVDS_3_P: IC4.R31 J29.H6 | length 95.8
  TopLayer w0.095: IC4.R31@158.2,52.5 v1(158.7,53)
  Layer 3 w0.075: v1(197.011,43.129) 197.042,43.098 197.272,43.098 197.787,42.584 207.145,42.584 207.64,43.078 207.64,43.224 207.684,43.268 207.73,43.268 207.961,43.5 J29.H6@208.239,43.5
  Layer 6 w0.08: v1(158.7,53) 158.7,53.35 158.747,53.397 163.671,53.397 165.877,55.604 179.539,55.604 180.157,54.986 182.286,54.986 183.032,55.732 183.032,58.355 183.249,58.572 183.807,58.572 184.238,58.572 184.52,58.854 184.52,58.86 184.68,59.02 185.001,59.02 185.162,58.86 185.162,55.822 185.443,55.54 185.936,55.54 186.218,55.822 186.218,58.86 186.378,59.02 186.699,59.02 186.86,58.86 186.86,55.428 187.141,55.147 187.634,55.147 187.916,55.428 187.916,58.86 188.076,59.02 188.397,59.02 188.558,58.86 188.558,55.428 188.839,55.147 189.332,55.147 189.614,55.428 189.614,58.86 189.774,59.02 190.095,59.02 190.256,58.86 190.256,55.428 190.537,55.147 191.03,55.147 191.312,55.428 191.312,58.412 191.472,58.572 191.573,58.572 191.902,58.572 192.451,58.023 192.451,47.916 194.426,45.941 196.978,43.389 196.978,43.163 v1(197.011,43.129)
SLOT4.LVDS_4_N: IC4.R33 J29.L6 | length 96.1
  TopLayer w0.095: IC4.R33@160.2,52.5 v1(160.7,53)
  Layer 6 w0.08: v1(160.7,53) 160.7,52.657 160.747,52.61 163.914,52.61 165.363,54.06 179.984,54.06 180.121,54.06 180.282,54.22 180.282,54.324 180.563,54.606 181.056,54.606 181.338,54.324 181.338,52.354 181.498,52.194 181.819,52.194 181.98,52.354 181.98,54.324 182.261,54.606 182.754,54.606 183.036,54.324 183.036,52.354 183.196,52.194 183.517,52.194 183.678,52.354 183.678,53.778 183.959,54.06 184.452,54.06 184.734,53.778 184.734,52.354 184.894,52.194 185.215,52.194 185.376,52.354 185.376,54.138 185.657,54.42 186.15,54.42 186.432,54.138 186.432,51.005 186.592,50.845 186.913,50.845 187.074,51.005 187.074,54.485 187.355,54.767 187.848,54.767 188.13,54.485 188.13,50.258 188.29,50.097 188.611,50.097 188.772,50.258 188.772,54.485 189.053,54.767 189.546,54.767 189.828,54.485 189.828,47.158 189.988,46.997 190.309,46.997 190.47,47.158 190.47,53.763 190.751,54.045 191.15,54.045 191.25,53.944 191.649,53.546 191.649,46.951 196.04,42.56 203.021,42.56 203.235,42.774 203.235,43.149 202.884,43.5 J29.L6@202.639,43.5
SLOT4.LVDS_4_P: IC4.T33 J29.K6 | length 96.4
  TopLayer w0.095: IC4.T33@160.2,51.5 v1(160.7,52)
  Layer 6 w0.08: v1(160.7,52) 160.7,52.356 160.747,52.403 163.999,52.403 165.449,53.853 179.984,53.853 180.207,53.853 180.489,54.135 180.489,54.239 180.649,54.399 180.97,54.399 181.131,54.239 181.131,52.269 181.412,51.987 181.905,51.987 182.187,52.269 182.187,54.239 182.347,54.399 182.668,54.399 182.829,54.239 182.829,52.269 183.11,51.987 183.603,51.987 183.885,52.269 183.885,53.693 184.045,53.853 184.366,53.853 184.527,53.693 184.527,52.269 184.808,51.987 185.301,51.987 185.583,52.269 185.583,54.053 185.743,54.213 186.064,54.213 186.225,54.053 186.225,50.919 186.506,50.638 186.999,50.638 187.281,50.919 187.281,54.399 187.441,54.56 187.762,54.56 187.923,54.399 187.923,50.172 188.204,49.89 188.697,49.89 188.979,50.172 188.979,54.399 189.139,54.56 189.46,54.56 189.621,54.399 189.621,47.072 189.902,46.79 190.395,46.79 190.677,47.072 190.677,53.677 190.837,53.838 191.064,53.838 191.25,53.652 191.442,53.46 191.442,46.865 195.954,42.353 203.107,42.353 203.442,42.688 203.442,43.149 203.794,43.5 J29.K6@204.039,43.5
SLOT4.LVDS_5_N: IC4.P34 J12.H3 | length 94.3
  TopLayer w0.095: IC4.P34@161.2,53.5 v1(161.7,54)
  Layer 3 w0.075: v1(161.7,54) 161.345,54 161.301,54.044 161.301,54.38 161.345,54.424 163.424,54.424 164.823,55.823 165.084,55.823 165.27,55.823 165.454,55.639 165.454,55.004 165.757,54.701 166.293,54.701 166.595,55.004 166.595,55.79 166.78,55.974 167.148,55.974 167.332,55.79 167.332,55.452 167.635,55.149 168.171,55.149 168.473,55.452 168.473,55.639 168.658,55.823 168.754,55.823 174.153,55.823 175.166,55.823 175.35,55.639 175.35,55.004 175.653,54.701 176.189,54.701 176.491,55.004 176.491,55.79 176.676,55.974 177.044,55.974 177.228,55.79 177.228,55.004 177.531,54.701 178.067,54.701 178.369,55.004 178.369,55.639 178.554,55.823 178.65,55.823 179.055,55.823 182.374,59.142 182.683,59.451 182.683,60.425 182.867,60.61 183.236,60.61 183.42,60.425 183.42,58.482 183.723,58.179 184.259,58.179 184.561,58.482 184.561,60.227 184.745,60.411 185.114,60.411 185.298,60.227 185.298,58.482 185.601,58.179 186.137,58.179 186.439,58.482 186.439,60.224 186.623,60.408 186.992,60.408 187.176,60.224 187.176,58.482 187.479,58.179 188.015,58.179 188.317,58.482 188.317,60.224 188.501,60.408 188.87,60.408 189.054,60.224 189.054,58.482 189.357,58.179 189.893,58.179 190.195,58.482 190.195,60.224 190.379,60.408 190.748,60.408 190.932,60.224 190.932,58.482 191.235,58.179 191.771,58.179 192.073,58.482 192.073,60.224 192.257,60.408 192.626,60.408 192.81,60.224 192.81,58.482 193.113,58.179 193.649,58.179 193.951,58.482 193.951,60.224 194.135,60.408 194.504,60.408 194.688,60.224 194.688,58.482 194.991,58.179 195.527,58.179 195.829,58.482 195.829,60.224 196.013,60.408 196.382,60.408 196.566,60.224 196.566,58.482 196.869,58.179 197.405,58.179 197.707,58.482 197.707,60.224 197.891,60.408 198.26,60.408 198.444,60.224 198.444,58.482 198.747,58.179 199.283,58.179 199.585,58.482 199.585,59.018 199.769,59.202 200.03,59.202 200.21,59.021 201.832,57.4 208.5,57.4 208.738,57.163 208.738,56.861 208.377,56.5 J12.H3@208.139,56.5
SLOT4.LVDS_5_P: IC4.P33 J12.G3 | length 95
  TopLayer w0.095: IC4.P33@160.2,53.5 v1(160.7,54)
  Layer 3 w0.075: v1(160.7,54) 161.055,54 161.099,54.044 161.099,54.463 161.261,54.626 163.34,54.626 164.739,56.025 165.084,56.025 165.354,56.025 165.656,55.722 165.656,55.087 165.841,54.903 166.209,54.903 166.393,55.087 166.393,55.873 166.696,56.176 167.232,56.176 167.534,55.873 167.534,55.536 167.719,55.351 168.087,55.351 168.271,55.536 168.271,55.722 168.574,56.025 168.754,56.025 174.153,56.025 175.25,56.025 175.552,55.722 175.552,55.087 175.737,54.903 176.105,54.903 176.289,55.087 176.289,55.873 176.592,56.176 177.128,56.176 177.43,55.873 177.43,55.087 177.615,54.903 177.983,54.903 178.167,55.087 178.167,55.722 178.47,56.025 178.65,56.025 178.971,56.025 182.374,59.428 182.481,59.535 182.481,60.509 182.784,60.812 183.32,60.812 183.622,60.509 183.622,58.565 183.806,58.381 184.175,58.381 184.359,58.565 184.359,60.311 184.662,60.613 185.198,60.613 185.5,60.311 185.5,58.565 185.684,58.381 186.053,58.381 186.237,58.565 186.237,60.308 186.54,60.61 187.076,60.61 187.378,60.308 187.378,58.565 187.562,58.381 187.931,58.381 188.115,58.565 188.115,60.308 188.418,60.61 188.954,60.61 189.256,60.308 189.256,58.565 189.44,58.381 189.809,58.381 189.993,58.565 189.993,60.308 190.296,60.61 190.832,60.61 191.134,60.308 191.134,58.565 191.318,58.381 191.687,58.381 191.871,58.565 191.871,60.308 192.174,60.61 192.71,60.61 193.012,60.308 193.012,58.565 193.196,58.381 193.565,58.381 193.749,58.565 193.749,60.308 194.052,60.61 194.588,60.61 194.89,60.308 194.89,58.565 195.074,58.381 195.443,58.381 195.627,58.565 195.627,60.308 195.93,60.61 196.466,60.61 196.768,60.308 196.768,58.565 196.952,58.381 197.321,58.381 197.505,58.565 197.505,60.308 197.808,60.61 198.344,60.61 198.646,60.308 198.646,58.565 198.83,58.381 199.199,58.381 199.383,58.565 199.383,59.101 199.686,59.404 200.114,59.404 200.21,59.307 201.916,57.602 208.584,57.602 208.94,57.246 208.94,56.861 209.301,56.5 J12.G3@209.539,56.5
SLOT4.LVDS_6_N: IC4.M31 J12.K3 | length 96
  TopLayer w0.095: IC4.M31@158.2,55.5 v1(158.7,56)
  Layer 3 w0.075: v1(180.873,56) 180.873,56.044 181.036,56.206 181.036,56.634 182.205,57.804 199.664,57.804 200.716,56.753 201.094,56.375 201.329,56.139 201.768,55.7 204.398,55.7 204.538,55.84 204.538,56.139 204.177,56.5 J12.K3@203.939,56.5
  layer 8 w0.075: v1(158.7,56) 158.345,56 158.301,56.044 158.301,56.332 158.369,56.4 164.286,56.4 165.386,57.5 165.986,57.5 166.167,57.5 166.494,57.828 166.494,59.805 166.704,60.014 167.122,60.014 167.331,59.805 167.331,56.298 167.659,55.97 168.245,55.97 168.572,56.298 168.572,61.207 168.782,61.417 169.2,61.417 169.409,61.207 169.409,56.298 169.737,55.97 170.323,55.97 170.65,56.298 170.65,60.626 170.86,60.835 171.278,60.835 171.487,60.626 171.487,56.298 171.815,55.97 172.401,55.97 172.728,56.298 172.728,61.207 172.938,61.417 173.356,61.417 173.565,61.207 173.565,56.298 173.893,55.97 174.479,55.97 174.806,56.298 174.806,57.803 175.016,58.012 175.434,58.012 175.643,57.803 175.643,56.298 175.971,55.97 176.557,55.97 176.884,56.298 176.884,57.612 177.094,57.821 177.512,57.821 177.721,57.612 177.721,56.298 178.049,55.97 178.635,55.97 178.962,56.298 178.962,57.291 179.172,57.5 180.56,57.5 180.714,57.5 181.092,57.123 181.092,56.219 v1(180.873,56)
SLOT4.LVDS_6_P: IC4.M30 J12.J3 | length 96.6
  TopLayer w0.095: IC4.M30@157.2,55.5 v1(157.7,56)
  Layer 3 w0.075: v1(181.4,56) 181.4,56.044 181.238,56.206 181.238,56.551 182.289,57.602 199.581,57.602 200.632,56.551 200.892,56.291 201.115,56.068 201.685,55.498 204.482,55.498 204.74,55.756 204.74,56.139 205.101,56.5 J12.J3@205.339,56.5
  layer 8 w0.075: v1(157.7,56) 158.055,56 158.099,56.044 158.099,56.416 158.285,56.602 164.202,56.602 165.302,57.702 165.986,57.702 166.083,57.702 166.292,57.911 166.292,59.889 166.62,60.216 167.206,60.216 167.533,59.889 167.533,56.382 167.743,56.172 168.161,56.172 168.37,56.382 168.37,61.291 168.698,61.619 169.284,61.619 169.611,61.291 169.611,56.382 169.821,56.172 170.239,56.172 170.448,56.382 170.448,60.71 170.776,61.038 171.362,61.038 171.689,60.71 171.689,56.382 171.899,56.172 172.317,56.172 172.526,56.382 172.526,61.291 172.854,61.619 173.44,61.619 173.767,61.291 173.767,56.382 173.977,56.172 174.395,56.172 174.604,56.382 174.604,57.886 174.932,58.214 175.518,58.214 175.845,57.886 175.845,56.382 176.055,56.172 176.473,56.172 176.682,56.382 176.682,57.695 177.01,58.023 177.596,58.023 177.923,57.695 177.923,56.382 178.133,56.172 178.551,56.172 178.76,56.382 178.76,57.374 179.088,57.702 180.56,57.702 180.798,57.702 181.294,57.206 181.294,56.194 181.4,56.088 v1(181.4,56)
SLOT4.LVDS_7_N: IC4.U27 J12.C4 | length 94.6
  TopLayer w0.095: IC4.U27@154.2,50.5 v1(154.7,51)
  layer 8 w0.075: v1(154.7,51) 154.345,51 154.301,50.956 154.301,50.5 154.401,50.4 161.914,50.4 162.414,50.9 185.614,50.9 186.794,52.079 198.679,52.079 198.984,52.384 198.984,53.397 197.783,54.598 189.707,54.598 189.182,55.123 188.842,55.463 188.842,55.804 188.842,56.029 189.17,56.357 190.045,56.357 190.254,56.566 190.254,56.985 190.045,57.194 189.17,57.194 188.842,57.522 188.842,57.702 188.842,58.235 191.309,60.702 198.566,60.702 200.387,58.88 201.173,58.094 201.668,57.6 215.645,57.6 215.838,57.792 215.838,58.139 215.477,58.5 J12.C4@215.239,58.5
SLOT4.LVDS_7_P: IC4.U26 J12.B4 | length 95.3
  TopLayer w0.095: IC4.U26@153.2,50.5 v1(153.7,51)
  layer 8 w0.075: v1(153.7,51) 154.055,51 154.099,50.956 154.099,50.416 154.317,50.198 161.998,50.198 162.498,50.698 185.698,50.698 186.877,51.877 198.763,51.877 199.186,52.3 199.186,53.481 197.867,54.8 189.791,54.8 189.468,55.123 189.044,55.547 189.044,55.804 189.044,55.946 189.253,56.155 190.128,56.155 190.456,56.483 190.456,57.068 190.128,57.396 189.253,57.396 189.044,57.605 189.044,57.702 189.044,58.152 191.392,60.5 198.482,60.5 200.185,58.797 200.959,58.023 201.584,57.398 215.729,57.398 216.04,57.709 216.04,58.139 216.401,58.5 J12.B4@216.639,58.5
SLOT4.LVDS_8_N: IC4.T29 J12.F4 | length 95.1
  TopLayer w0.095: IC4.T29@156.2,51.5 v1(156.7,52)
  layer 8 w0.075: v1(156.7,52) 156.7,51.645 156.656,51.601 156.346,51.601 156.302,51.645 156.302,52.274 156.449,52.421 184.421,52.421 186.818,54.818 186.818,55.393 186.818,55.574 186.515,55.876 184.794,55.876 184.61,56.061 184.61,56.429 184.794,56.613 187.981,56.613 188.284,56.916 188.284,57.452 187.981,57.754 184.794,57.754 184.61,57.939 184.61,58.307 184.794,58.491 186.695,58.491 187.144,58.94 188.289,58.94 188.321,58.972 191.518,62.17 192.142,62.17 192.322,62.17 192.625,62.472 192.625,63.537 192.809,63.721 193.178,63.721 193.362,63.537 193.362,61.18 193.665,60.877 194.2,60.877 194.503,61.18 194.503,63.537 194.687,63.721 195.056,63.721 195.24,63.537 195.24,61.18 195.543,60.877 196.078,60.877 196.381,61.18 196.381,63.537 196.565,63.721 196.934,63.721 197.118,63.537 197.118,61.18 197.421,60.877 197.956,60.877 198.259,61.18 198.259,63.537 198.443,63.721 198.812,63.721 198.996,63.537 198.996,62.446 200.65,60.792 202.037,59.405 209.9,59.405 210.163,59.405 cw(c210.163,59.293) 210.275,59.293 210.275,59.21 ccw(c210.388,59.21) 210.388,59.097 ccw(c210.388,59.21) 210.5,59.21 210.5,59.293 cw(c210.613,59.293) 210.613,59.405 210.939,59.405 211.42,59.405 211.638,59.188 211.638,58.861 211.277,58.5 J12.F4@211.039,58.5
SLOT4.LVDS_8_P: IC4.U29 J12.E4 | length 95.7
  TopLayer w0.095: IC4.U29@156.2,50.5 v1(156.7,51)
  layer 8 w0.075: v1(156.7,51) 156.7,51.355 156.656,51.399 156.262,51.399 156.1,51.561 156.1,52.358 156.365,52.623 184.338,52.623 186.616,54.901 186.616,55.393 186.616,55.49 186.431,55.674 184.71,55.674 184.408,55.977 184.408,56.513 184.71,56.815 187.897,56.815 188.082,57 188.082,57.368 187.897,57.552 184.71,57.552 184.408,57.855 184.408,58.391 184.71,58.693 186.612,58.693 186.894,58.975 187.06,59.142 188.205,59.142 191.435,62.372 192.142,62.372 192.239,62.372 192.423,62.556 192.423,63.62 192.726,63.923 193.261,63.923 193.564,63.62 193.564,61.263 193.748,61.079 194.117,61.079 194.301,61.263 194.301,63.62 194.604,63.923 195.139,63.923 195.442,63.62 195.442,61.263 195.626,61.079 195.995,61.079 196.179,61.263 196.179,63.62 196.482,63.923 197.017,63.923 197.32,63.62 197.32,61.263 197.504,61.079 197.873,61.079 198.057,61.263 198.057,63.62 198.36,63.923 198.895,63.923 199.198,63.62 199.198,62.53 200.65,61.078 202.12,59.607 211.504,59.607 211.84,59.271 211.84,58.861 212.201,58.5 J12.E4@212.439,58.5